# Altium PCB UmTRXv2.PcbDoc (part 1 of 25) (continued)
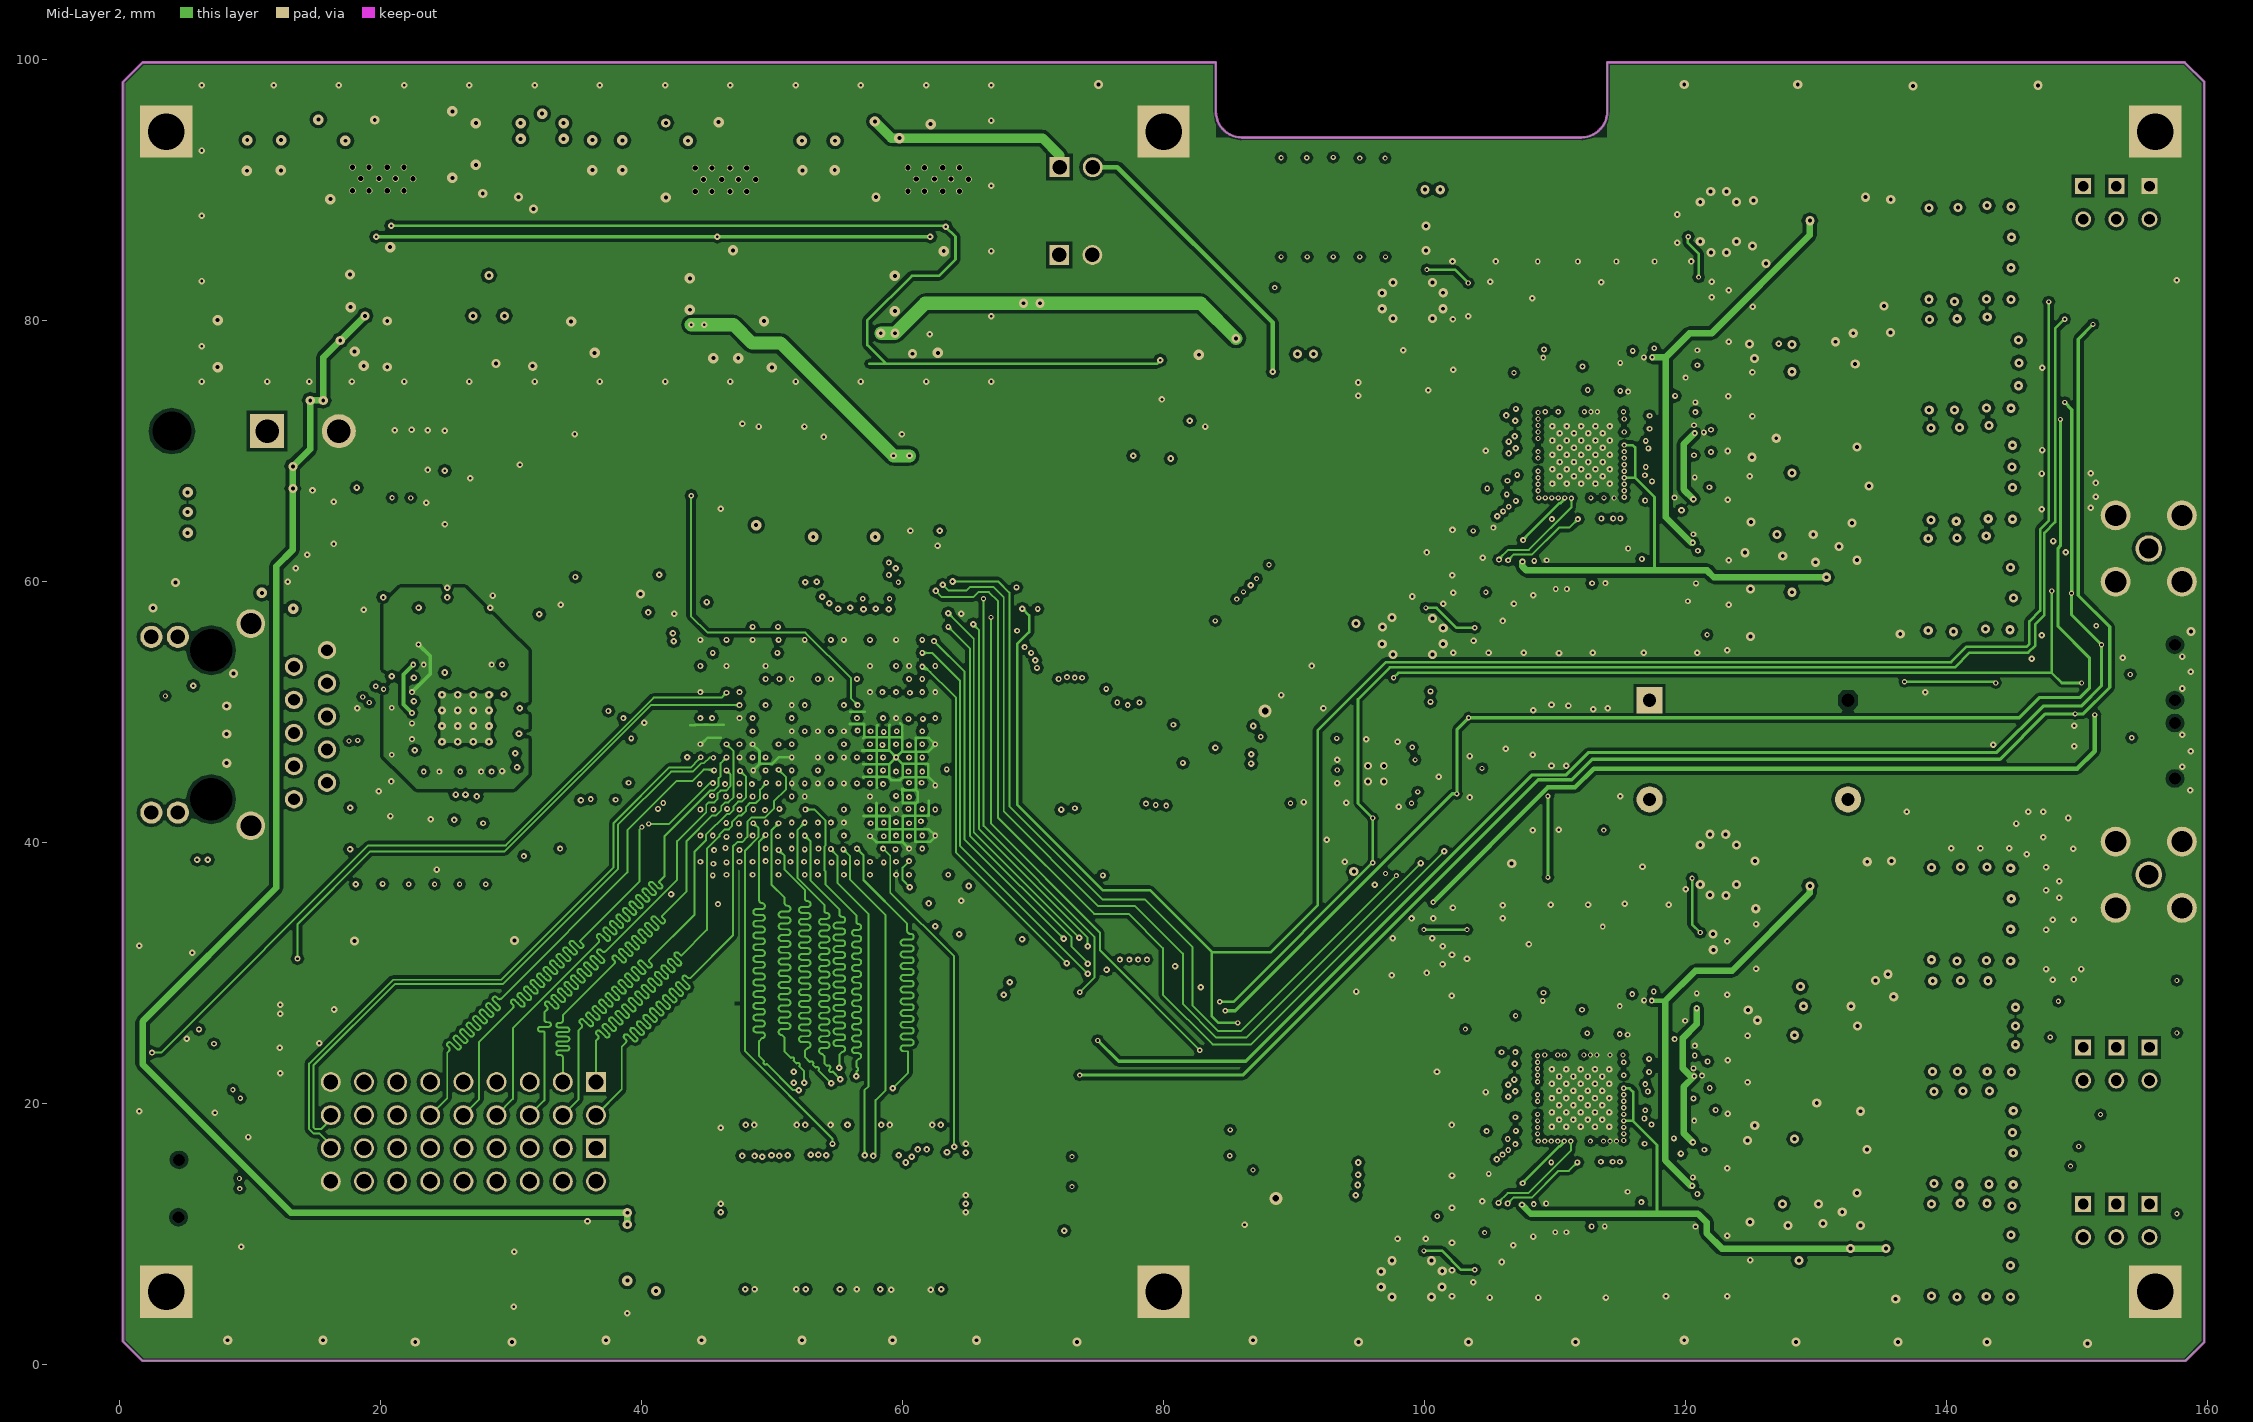
[diagram p4: Mid-Layer 2]
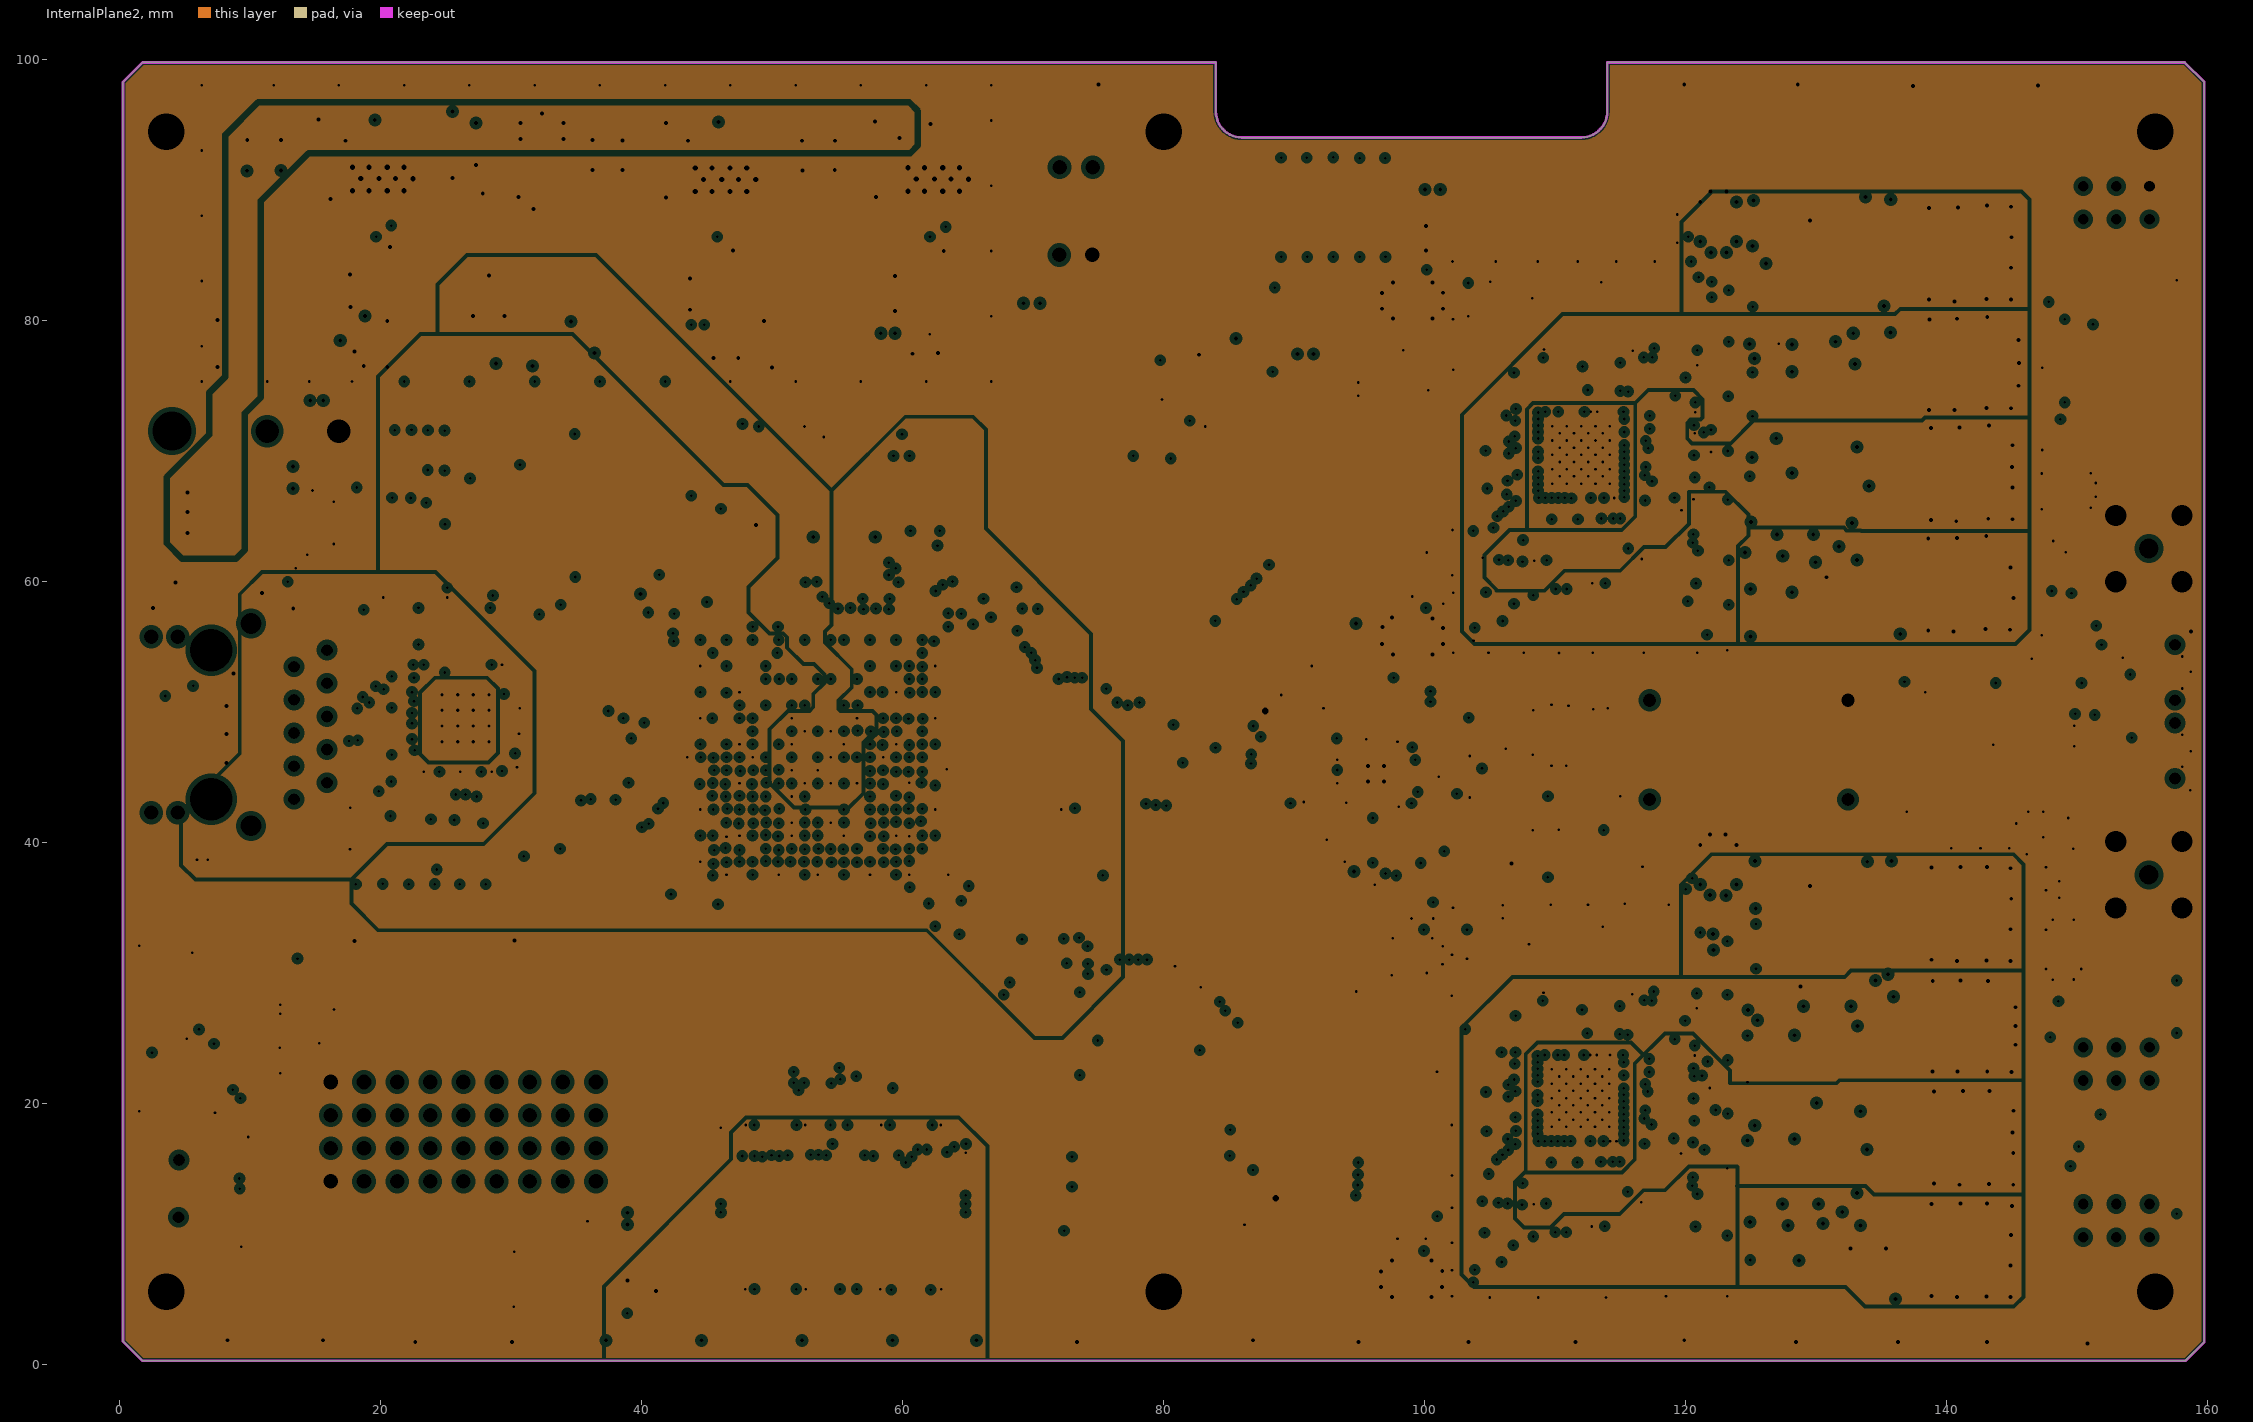
[diagram p5: InternalPlane2, clearances drawn from the general rule]

## Layer stack, top to bottom
Top Layer: signal copper 0.018
Dielectric: core 0.1026, FR-4, Dk 4.8
GND: plane copper 0.0356, net GND
Dielectric: prepreg 0.51, FR-4, Dk 4.8
MidLayer1: signal copper 0.0356
Dielectric: core 0.1229, FR-4, Dk 4.8
Mid-Layer 2: signal copper 0.0356
Dielectric: prepreg 0.51, FR-4, Dk 4.8
InternalPlane2: plane copper 0.0356, net (Multiple Nets)
Dielectric: core 0.1026, FR-4, Dk 4.8
Bottom Layer: signal copper 0.018

## Board outline
0.25,1.75 1.75,0.25 158.3,0.25 159.75,1.7 159.75,98.25 158.25,99.75 114,99.75 114,96 cw(c112,96) 112,94 86,94 cw(c86,96) 84,96 84,99.75 1.75,99.75 0.25,98.25

## Design rules (kind name [scope] priority, off if disabled: settings)
Clearance Clearance_8 [(IsPad AND HasFootprint('FBGA484'))] p1: gap=0.1
Clearance Clearance_6 [(IsPad AND HasFootprint('DQFN120(9x9/0.5mm)'))] p2: gap=0.1
Clearance Clearance_7 [(IsPad AND HasFootprint('QFN-84(10x10/0/4mm)with_pad', 'QFN-24(4x4/0/5mm) with Pad'))] p3: gap=0.15
Clearance Clearance_5 [All vs OnLayer('Keep-Out Layer')] p4: gap=0.1
Clearance Clearance_4 [InPoly vs InComponent('Z7*','Z8*','Z1','Z2','Z3','Z4')] p5: gap=0.25
Clearance Clearance_3 [(HasFootprint('CP-24-2', 'LMS6002'))] p6: gap=0.2
Clearance Clearance_2 [OnLayer('Top Layer') and InPoly] p7: gap=0.5
Clearance Clearance_1 [OnLayer('Bottom Layer') and InPoly] p8: gap=0.5
Clearance Clearance_9 [InPoly] p9: gap=0.25
Clearance [All] p10: gap=0.1
ComponentClearance [All] p1 off: gap=0.254 collisioncheckmode=3 verticalgap=0.254 showdistances=FALSE
DiffPairsRouting [All] p1: maxlimit=0.19 minlimit=0.17 mostfreqgap=0.18 maxuncoupledlength=10
FabricationTestPointUsage TestPointUsage [All] p1: valid=0 allowmultiple=FALSE
FabricationTestpoint Testpoint [All] p1: side=3 testpointundercomponent=TRUE minsize=1.016 maxsize=2.54 preferedsize=1.524 minholesize=0 maxholesize=1.016 preferedholesize=0.813 testpointgrid=0.025 allowsidetop=TRUE allowsidebottom=TRUE usegrid=TRUE gridtolerance=0
Height [All] p1 off: minheight=0 maxheight=25.4 prefheight=12.7
HoleSize [All] p1: absolutevalues=TRUE maxlimit=4 minlimit=0.2 maxpercent=80.000 minpercent=20.000
HoleToHoleClearance [All] p1 off: gap=0.5 allowstackedmicrovias=TRUE
Length InNet('DEBUG_CLK_P') [InNetClass('DEBUG')] p1: maxlimit=50 minlimit=48
Length Length_6 [InNetClass('RX1') Or InNetClass('RX2')] p2 off: maxlimit=63.4 minlimit=62.4
Length Length_7 [InNetClass('Debug')] p3 off: maxlimit=62.6 minlimit=61.6
Length Length_5 [InNetClass('TX1') Or InNetClass('TX2')] p4 off: maxlimit=67.6 minlimit=66.6
Length Length_4 [InNet('GMII_RXD0') or InNet('GMII_RXD1') or InNet('GMII_RXD2') or InNet('GMII_RXD3')] p5 off: maxlimit=13.3 minlimit=12.8
Length Length_3 [InNetClass('GMII_RX')] p6 off: maxlimit=13.4 minlimit=12.9
Length Length_2 [InNetClass('GMII_TX')] p7 off: maxlimit=12.8 minlimit=12.3
Length Length_1 [InNetClass('ResArray')] p8 off: maxlimit=5.05 minlimit=4.5
Length [InNetClass('RAM')] p9 off: maxlimit=41.8 minlimit=40.8
MinimumSolderMaskSliver [All] p1: minsoldermaskwidth=0.095
PlaneClearance [All] p1: clearance=0.35
PlaneConnect PlaneConnect_3 [IsPad AND (HasFootprint('DQFN120(9x9/0.5mm)') Or HasFootprint('SOIC8 - BackGND - 0.4mm dia') Or HasFootprint('MS8G'))] p1: planeconnectstyle=Direct reliefexpansion=0.508 reliefentries=4 reliefconductorwidth=0.254 reliefairgap=0.254
PlaneConnect PlaneConnect_1 [IsVia] p2: planeconnectstyle=Direct reliefexpansion=0.508 reliefentries=4 reliefconductorwidth=0.254 reliefairgap=0.254
PlaneConnect [InNet('GND')] p3: planeconnectstyle=Relief reliefexpansion=0.5 reliefentries=4 reliefconductorwidth=0.5 reliefairgap=0.25
PlaneConnect PlaneConnect_2 [All] p4: planeconnectstyle=Relief reliefexpansion=0.508 reliefentries=4 reliefconductorwidth=0.254 reliefairgap=0.254
PolygonConnect PolygonConnect_1 [IsVia] p1: connectstyle=Direct reliefconductorwidth=0.254 reliefentries=4 polygonreliefangle="90 Angle"
PolygonConnect PolygonConnect_4 [InComponent('Z1','Z2','Z3','Z4','Z7*','Z8*')] p2: connectstyle=Relief reliefconductorwidth=0.5 reliefentries=4 polygonreliefangle="90 Angle"
PolygonConnect PolygonConnect_3 [(InComponent('d*'))] p3: connectstyle=Direct reliefconductorwidth=0.254 reliefentries=4 polygonreliefangle="90 Angle"
PolygonConnect PolygonConnect_2 [(HasFootprint('BH-20'))] p4: connectstyle=Relief reliefconductorwidth=0.7 reliefentries=4 polygonreliefangle="90 Angle"
PolygonConnect PolygonConnect_5 [HasPad('Free-0')] p5: connectstyle=Direct reliefconductorwidth=0.254 reliefentries=4 polygonreliefangle="90 Angle"
PolygonConnect [All] p6: connectstyle=Direct reliefconductorwidth=0.5 reliefentries=4 polygonreliefangle="90 Angle"
RoomDefinition LMS-b [InComponentClass('LMS-b')] p1: confinementstyle=ConfineIn formatcopy=TRUE lockcomponents=FALSE outline 101,52.5 148,52.5 148,91.5 101,91.5
RoomDefinition LMS-a [InComponentClass('LMS-a')] p2: confinementstyle=ConfineIn formatcopy=TRUE lockcomponents=FALSE outline 100.961,3.208 147.961,3.208 147.961,42.208 100.961,42.208
RoutingVias [All] p1: holewidth=0.5 width=1 viastyle="Through Hole" minholewidth=0.2 minwidth=0.4 maxholewidth=0.8 maxwidth=1.2
SilkToSilkClearance [All] p1: silktosilkclearance=0.1
SilkscreenOverComponentPads [All] p1: minsilkscreentomaskgap=0.1
SolderMaskExpansion [All] p1: expansion=0.075
Width Width_1 [IsDifferentialPair] p1: maxlimit=0.1 minlimit=0.1 preferedwidth=0.1
Width [All] p2: maxlimit=2 minlimit=0.1 preferedwidth=0.25
16 further rules are at their usual default settings.

## Classes and differential pairs
net class Debug: DEBUG0 DEBUG1 DEBUG2 DEBUG3 DEBUG4 DEBUG5 DEBUG6 DEBUG7 DEBUG8 DEBUG9 DEBUG10 DEBUG11 DEBUG12 DEBUG13 DEBUG14 DEBUG15 DEBUG16 DEBUG17 DEBUG18 DEBUG19 DEBUG20 DEBUG21 DEBUG22 DEBUG23 DEBUG24 DEBUG25 DEBUG26 DEBUG27 DEBUG28 DEBUG29 DEBUG30 DEBUG31 DEBUG_CLK_N DEBUG_CLK_P
component class FPGA_RAM: R93 TST9 TST10 TST11 TST12 TST13 TST14 TST15 TST16 U8 U11 X2-1 X2-2
component class GBEthernet: C32 C33 C34 C35 C36 C37 C38 C39 C40 C41 C42 L4 L5 LED5 LED6 R41 R42 R43 R44 R45 R46 R47 R48 R49 R50 R51 R52 R53 R54 R55 R56 R57 R58 R59 R60 R61 R62 R63 R64 R78 R89 R90 R91 R92 RA1 RA2 RA3 U9 U10 X4
component class EEpromConfig: C25 C26 C27 C43 C297 C298 C299 C300 L46 LED1 LED1A' LED1B' LED1C' LED2 LED2A' LED2B' LED2C' LED3C' LED4 Q1 Q2 R14 R15 R16 R17 R18 R19 R20 R21 R22 R23 R24 R26 R27 R28 R29 R30 R31 R32 R33 R34 R35 R36 R37 R38 R67 R79 R81 R82 R83 R84 R85 R86 R87 R88 R94 R149 R152 R162 R163 R164 R165 R166 S1 S2 U6 U6A U7 U33 X1 X3 X16
component class Clocking: C4 C5 C6 C7 C8 C9 C10 C11 C12 C13 C14 C15 C17 C18 C19 C20 C21 C22 C24 C127 C135 C139 C146 C275 C278 C289 C290 C291 C292 C293 C294 C295 C296 ESD1 ESD2 ESD3 L1 L2 L3 LED3 LED3A' LED3B' R1 R2 R3 R4 R5 R6 R7 R8 R9 R10 R11 R12 R13 R65 R66 R122 R123 R124 R134 R135 R153 R154 R155 R156 R157 R158 R159 S3 U1 U2 U3 U4 U5 U18 U26 U27 U28 U36 U37
component class Total: R175 X6 X6' X7 X8 X9 X10 X11 X12 X13 X13' X14 X15
component class PwrAndBias: C113 C114 C115 C116 C117 C118 C119 C120 C125 C128 C129 C131 C132 C133 C136 C137 C138 C140 C141 C143 C144 C145 C147 C148 C150 C151 C152 C153 C154 C156 C157 C158 C159 C161 C162 C163 C164 C165 C166 C167 C168 C171 C172 C174 C175 C176 C177 C178 C179 C180 C181 C182 C183 C184 C185 C186 C187 C188 C189 C190 C191 C192 C193 C194 C196 C197 C198 C199 C200 C201 C202 C203 C204 C205 C206 C207 C208 C209 C210 C211 C212 C213 C214 C215 C216 C217 C218 C219 C220 C221 C222 C223 C224 C225 C227 C228 C229 C230 C231 C232 C233 C234 C235 C236 C237 C238 C239 C240 C241 C242 C243 C244 C245 C246 C247 C248 C249 C250 C251 C252 C254 C255 C256 C257 C258 C259 C260 C261 C262 C263 C264 C265 C266 C267 C268 C269 C270 C271 C272 C273 C274 C276 C277 C279 C280 C281 C282 C283 C284 C285 C286 C287 D1 D2 D3 D4 F1 L35 L36 L37 L40 L41 L42 L43 L44 L45 Q3 Q4 R128 R129 R131 R132 R133 R136 R137 R138 R168 R169 R170 R171 R172 R173 R174 U15 U16 U17 U34 U35 X5 X17 X18
component class LMS-a: C44-1 C45-1 C46-1 C47-1 C48-1 C49-1 C50-1 C51-1 C52-1 C53-1 C54-1 C55-1 C56-1 C56a C57-1 C57a C58-1 C58a C59-1 C59a C60-1 C60a C61-1 C61a C62-1 C62a C63-1 C63a C64-1 C64a C65-1 C65a C66-1 C66a C67-1 C67a C68-1 C68a C69-1 C69a C70-1 C70a C71-1 C71a C72-1 C72a C73-1 C73a C74-1 C74a C75-1 C75a C76-1 C76a C77-1 C77a C78-1 C78a C79-1 C79a C80-1 C80a C81-1 C82-1 C83-1 C84-1 C85-1 C86-1 C87-1 C88-1 C89-1 C90-1 C91-1 C92-1 C93-1 C94-1 C95-1 C96-1 C97-1 C98-1 C99-1 C100-1 C101-1 C102-1 C103-1 C104-1 C105-1 C106-1 C107-1 C108-1 C109-1 C110-1 C111-1 C112-1 C146-1 C169-1 D2a D3a D4a D5a ESD3-1 ESD4-1 ESD5-1 L6-1 L7-1 L8-1 L9-1 L10-1 L11-1 L12-1 L12a L13-1 L13a L14-1 L14a L15-1 L15a L16-1 L16a L17-1 L18-1 L19-1 L20-1 L21-1 L22-1 L23-1 L24-1 L25-1 L26-1 L27-1 L28-1 L29-1 L30-1 L31-1 L32-1 L33-1 L34-1 R80-1 R95-1 R96-1 R97-1 R97a R98-1 R98a R99-1 R99a R100-1 R100a R101-1 R101a R102a R103-1 R103a R104-1 R105-1 R106-1 R107-1 R108-1 R109-1 R110-1 R111-1 R112-1 R113-1 R114-1 R119-1 R121-1 R125-1 T1-1 T2-1 T3-1 TST1-1 TST2-1 TST3-1 TST4-1 TST5-1 TST6-1 TST7-1 TST8-1 U12-1 U13' U14-1 U16a U29-1 U30-1 U31-1 U32-1 X12a X13a X14a X15a Z1-1 Z3a
component class LMS-b: C44-2 C45-2 C46-2 C47-2 C48-2 C49-2 C50-2 C51-2 C52-2 C53-2 C54-2 C55-2 C56-2 C56b C57-2 C57b C58-2 C58b C59-2 C59b C60-2 C60b C61-2 C61b C62-2 C62b C63-2 C63b C64-2 C64b C65-2 C65b C66-2 C66b C67-2 C67b C68-2 C68b C69-2 C69b C70-2 C70b C71-2 C71b C72-2 C72b C73-2 C73b C74-2 C74b C75-2 C75b C76-2 C76b C77-2 C77b C78-2 C78b C79-2 C79b C80-2 C80b C81-2 C82-2 C83-2 C84-2 C85-2 C86-2 C87-2 C88-2 C89-2 C90-2 C91-2 C92-2 C93-2 C94-2 C95-2 C96-2 C97-2 C98-2 C99-2 C100-2 C101-2 C102-2 C103-2 C104-2 C105-2 C106-2 C107-2 C108-2 C109-2 C110-2 C111-2 C112-2 C146-2 C169-2 D2b D3b D4b D5b ESD3-2 ESD4-2 ESD5-2 L6-2 L7-2 L8-2 L9-2 L10-2 L11-2 L12-2 L12b L13-2 L13b L14-2 L14b L15-2 L15b L16-2 L16b L17-2 L18-2 L19-2 L20-2 L21-2 L22-2 L23-2 L24-2 L25-2 L26-2 L27-2 L28-2 L29-2 L30-2 L31-2 L32-2 L33-2 L34-2 R80-2 R95-2 R96-2 R97-2 R97b R98-2 R98b R99-2 R99b R100-2 R100b R101-2 R101b R102b R103-2 R103b R104-2 R105-2 R106-2 R107-2 R108-2 R109-2 R110-2 R111-2 R112-2 R113-2 R114-2 R119-2 R121-2 R125-2 T1-2 T2-2 T3-2 TST1-2 TST2-2 TST3-2 TST4-2 TST5-2 TST6-2 TST7-2 TST8-2 U12-2 U13'' U14-2 U16b U29-2 U30-2 U31-2 U32-2 X12b X13b X14b X15b Z1-2 Z3b
channel class LMS: LMS-a LMS-b
net class GMII_RX: GMII_RX_CLK GMII_RX_DV GMII_RX_ER GMII_RXD0 GMII_RXD1 GMII_RXD2 GMII_RXD3 GMII_RXD4 GMII_RXD5 GMII_RXD6 GMII_RXD7
net class GMII_TX: GMII_GTX_CLK GMII_TX_CLK GMII_TX_EN GMII_TX_ER GMII_TXD0 GMII_TXD1 GMII_TXD2 GMII_TXD3 GMII_TXD4 GMII_TXD5 GMII_TXD6 GMII_TXD7
net class RAM: RAM_A00 RAM_A01 RAM_A02 RAM_A03 RAM_A04 RAM_A05 RAM_A06 RAM_A07 RAM_A08 RAM_A09 RAM_A10 RAM_A11 RAM_A12 RAM_A13 RAM_A14 RAM_A15 RAM_A16 RAM_A17 RAM_A18 RAM_A19 RAM_A20 RAM_BWN0 RAM_BWN1 RAM_BWN2 RAM_BWN3 RAM_CENN RAM_CLK RAM_D00 RAM_D01 RAM_D02 RAM_D03 RAM_D04 RAM_D05 RAM_D06 RAM_D07 RAM_D08 RAM_D09 RAM_D10 RAM_D11 RAM_D12 RAM_D13 RAM_D14 RAM_D15 RAM_D16 RAM_D17 RAM_D18 RAM_D19 RAM_D20 RAM_D21 RAM_D22 RAM_D23 RAM_D24 RAM_D25 RAM_D26 RAM_D27 RAM_D28 RAM_D29 RAM_D30 RAM_D31 RAM_D32 RAM_D33 RAM_D34 RAM_D35 RAM_LDN RAM_OEN RAM_WEN
net class RX1: RX1D0 RX1D1 RX1D2 RX1D3 RX1D4 RX1D5 RX1D6 RX1D7 RX1D8 RX1D9 RX1D10 RX1D11 RX1IQSEL
net class RX2: RX2D0 RX2D1 RX2D2 RX2D3 RX2D4 RX2D5 RX2D6 RX2D7 RX2D8 RX2D9 RX2D10 RX2D11 RX2IQSEL
net class TX1: TX1D0 TX1D1 TX1D2 TX1D3 TX1D4 TX1D5 TX1D6 TX1D7 TX1D8 TX1D9 TX1D10 TX1D11 TX1IQSEL
net class TX2: TX2D0 TX2D1 TX2D2 TX2D3 TX2D4 TX2D5 TX2D6 TX2D7 TX2D8 TX2D9 TX2D10 TX2D11 TX2IQSEL
net class ResArray: NetR90_2 NetRA1_1 NetRA1_2 NetRA1_3 NetRA1_4 NetRA1_5 NetRA1_6 NetRA1_7 NetRA1_8 NetRA2_1 NetRA2_2 NetRA2_3 NetRA2_4 NetRA2_5 NetRA2_6 NetRA2_7 NetRA2_8 NetRA3_1 NetRA3_2 NetRA3_3 NetRA3_4 NetRA3_5 NetRA3_6 NetRA3_7 NetRA3_8
differential pair DIVSW1: +DIVSW1_P -DIVSW1_N
differential pair DIVSW2: +DIVSW2_P -DIVSW2_N
differential pair DEBUG_CLK: +DEBUG_CLK_P -DEBUG_CLK_N

## Components (designator, comment, footprint, x,y, rotation, side; value= is the part's Value field where it differs from the comment)
C4 "0.1" C0402-Phillips 95.1,36.725 r0 top
C5 "0.1" C0402-Phillips 115.125,50.25 r0 bottom
C6 "100uF" cd7343 90.4,34.45 r270 top
C7 "0.1" C0402-Phillips 93.9,29.175 r0 top
C8 "0.1" C0402-Phillips 115.5,44.4 r180 bottom
C9 "330uF" cd7343 115.3,38.125 r180 top
C10 "0.1" C0402-Phillips 149.8,42.925 r270 top
C11 "2.2" C0402-Phillips 149.8,46.15 r90 top
C12 "10uF" CA3216 99.3,18.325 r0 top
C13 "0.1" C0402-Phillips 100.425,21.575 r0 top
C14 "0.1" C0402-Phillips 97.525,42 r180 top
C15 "0.1" C0402-Phillips 94.487,42.45 r0 top
C17 "100uF" cd7343 90.725,48.575 r270 top
C18 "0.1" C0402-Phillips 91.75,43.05 r180 top
C19 "220p" C0603-PHILLIPS 93.525,39.975 r270 top
C20 "0.1" C0402-Phillips 97.675,48.425 r0 top
C21 "0.1" C0402-Phillips 94.875,48.45 r0 top
C22 "0.1" C0402-Phillips 100.1,45 r0 top
C24 "0.1" C0402-Phillips 91.3,40.175 r0 top
C25 "0.1" C0402-Phillips 40.775,59.55 r270 top
C26 "0.1" C0402-Phillips 154.95,46.4 r270 top
C27 "0.1" C0402-Phillips 24.875,65.625 r90 top
C32 "1.0" C0603-PHILLIPS 10.975,54.625 r0 bottom
C33 "0.01" C0402-Phillips 13.075,41.475 r180 bottom
C34 "0.01" C0402-Phillips 8.7,47.05 r180 bottom
C35 "0.01" C0402-Phillips 8.7,49.65 r180 bottom
C36 "0.01" C0402-Phillips 8.7,52.1 r180 bottom
C37 "0.01" C0402-Phillips 23.9,59.45 r0 top
C38 "100uF" cd7343 28.625,64.675 r270 top
C39 "0.1" C0402-Phillips 33.25,59.1 r0 top
C40 "0.1" C0402-Phillips 27,59.1 r0 top
C41 "1.0" C0603-PHILLIPS 30.35,52.8 r90 bottom
C42 "0.1" C0402-Phillips 33.35,57.45 r0 top
C43 "0.1" C0402-Phillips 155.1,52.35 r90 top
C44-1 "0.1" C0402-Phillips 128.84,12.281 r0 top (schematic designator C44)
C44-2 "0.1" C0402-Phillips 128.5,63.55 r0 top (schematic designator C44)
C45-1 "100p" C0603-PHILLIPS 119.161,17.908 r0 top (schematic designator C45)
C45-2 "100p" C0603-PHILLIPS 119.2,67.15 r0 top (schematic designator C45)
C46-1 "0.1" C0402-Phillips 124.7,9.575 r90 top (schematic designator C46)
C46-2 "0.1" C0402-Phillips 124.45,60.85 r90 top (schematic designator C46)
C47-1 "0.1" C0402-Phillips 126.846,26.353 r180 top (schematic designator C47)
C47-2 "0.1" C0402-Phillips 126.575,77.1 r180 top (schematic designator C47)
C48-1 "0.1" C0402-Phillips 129.29,10.781 r0 top (schematic designator C48)
C48-2 "0.1" C0402-Phillips 128.75,61.575 r0 top (schematic designator C48)
C49-1 "0.1" C0402-Phillips 126.644,18.295 r180 top (schematic designator C49)
C49-2 "0.1" C0402-Phillips 126.444,69.494 r180 top (schematic designator C49)
C50-1 "0.1" C0402-Phillips 131.464,27.424 r0 top (schematic designator C50)
C50-2 "0.1" C0402-Phillips 130.225,78.35 r0 top (schematic designator C50)
C51-1 "100uF" cd7343 128.55,23.4 r0 top (schematic designator C51)
C51-2 "100uF" cd7343 128.525,74.3 r0 top (schematic designator C51)
C52-1 "100uF" cd7343 129,6.3 r0 top (schematic designator C52)
C52-2 "100uF" cd7343 128.95,57.45 r0 top (schematic designator C52)
C53-1 "100uF" cd7343 128.6,15.35 r0 top (schematic designator C53)
C53-2 "100uF" cd7343 128.7,66.35 r0 top (schematic designator C53)
C54-1 "100uF" cd7343 128.675,32.05 r0 top (schematic designator C54)
C54-2 "100uF" cd7343 129.1,82.7 r0 top (schematic designator C54)
C55-1 "0.1" C0402-Phillips 134.05,25.4 r90 top (schematic designator C55)
C55-2 "0.1" C0402-Phillips 133.8,76.25 r90 top (schematic designator C55)
C56-1 "0.1" C0402-Phillips 134.848,4.989 r0 top (schematic designator C56)
C56-2 "0.1" C0402-Phillips 134.998,55.794 r0 top (schematic designator C56)
C57-1 "0.1" C0402-Phillips 134.75,15.9 r90 top (schematic designator C57)
C57-2 "0.1" C0402-Phillips 134.9,66.7 r90 top (schematic designator C57)
C58-1 "0.1" C0402-Phillips 134.477,30.811 r270 top (schematic designator C58)
C58-2 "0.1" C0402-Phillips 134.25,81.35 r270 top (schematic designator C58)
C59-1 "0.1" C0402-Phillips 118.316,16.527 r180 top (schematic designator C59)
C59-2 "0.1" C0402-Phillips 118.355,65.819 r180 top (schematic designator C59)
C60-1 "0.1" C0402-Phillips 121.261,21.008 r270 top (schematic designator C60)
C60-2 "0.1" C0402-Phillips 121.3,70.3 r270 top (schematic designator C60)
C61-1 "0.1" C0402-Phillips 118.75,23.275 r180 top (schematic designator C61)
C61-2 "0.1" C0402-Phillips 118.8,72.6 r180 top (schematic designator C61)
C62-1 "0.1" C0402-Phillips 110.65,16.15 r180 bottom (schematic designator C62)
C62-2 "0.1" C0402-Phillips 110.675,65.475 r180 bottom (schematic designator C62)
C63-1 "0.1" C0402-Phillips 109.557,14.238 r90 top (schematic designator C63)
C63-2 "0.1" C0402-Phillips 109.596,63.53 r90 top (schematic designator C63)
C64-1 "10uF" CA3216 126.175,28.3 r180 top (schematic designator C64)
C64-2 "10uF" CA3216 126.35,79.35 r180 top (schematic designator C64)
C65-1 "10uF" CA3216 135.8,13.15 r180 top (schematic designator C65)
C65-2 "10uF" CA3216 135.7,64.2 r180 top (schematic designator C65)
C66-1 "10uF" CA3216 129.925,20.1 r180 top (schematic designator C66)
C66-2 "10uF" CA3216 129.7,71.075 r180 top (schematic designator C66)
C67-1 "0.1" C0402-Phillips 104.55,11.325 r270 top (schematic designator C67)
C67-2 "0.1" C0402-Phillips 104.7,60.375 r270 top (schematic designator C67)
C68-1 "1.0" C0603-PHILLIPS 108.107,11.188 r0 top (schematic designator C68)
C68-2 "1.0" C0603-PHILLIPS 108.146,60.48 r0 top (schematic designator C68)
C69-1 "0.1" C0402-Phillips 136.725,29.875 r180 top (schematic designator C69)
C69-2 "0.1" C0402-Phillips 136.8,80.725 r180 top (schematic designator C69)
C70-1 "0.1" C0402-Phillips 133.39,9.331 r90 top (schematic designator C70)
C70-2 "0.1" C0402-Phillips 133.2,60.4 r90 top (schematic designator C70)
C71-1 "0.1" C0402-Phillips 133.39,18.077 r90 top (schematic designator C71)
C71-2 "0.1" C0402-Phillips 133.125,69.1 r90 top (schematic designator C71)